# KiCad board backplane.kicad_pcb (continued)
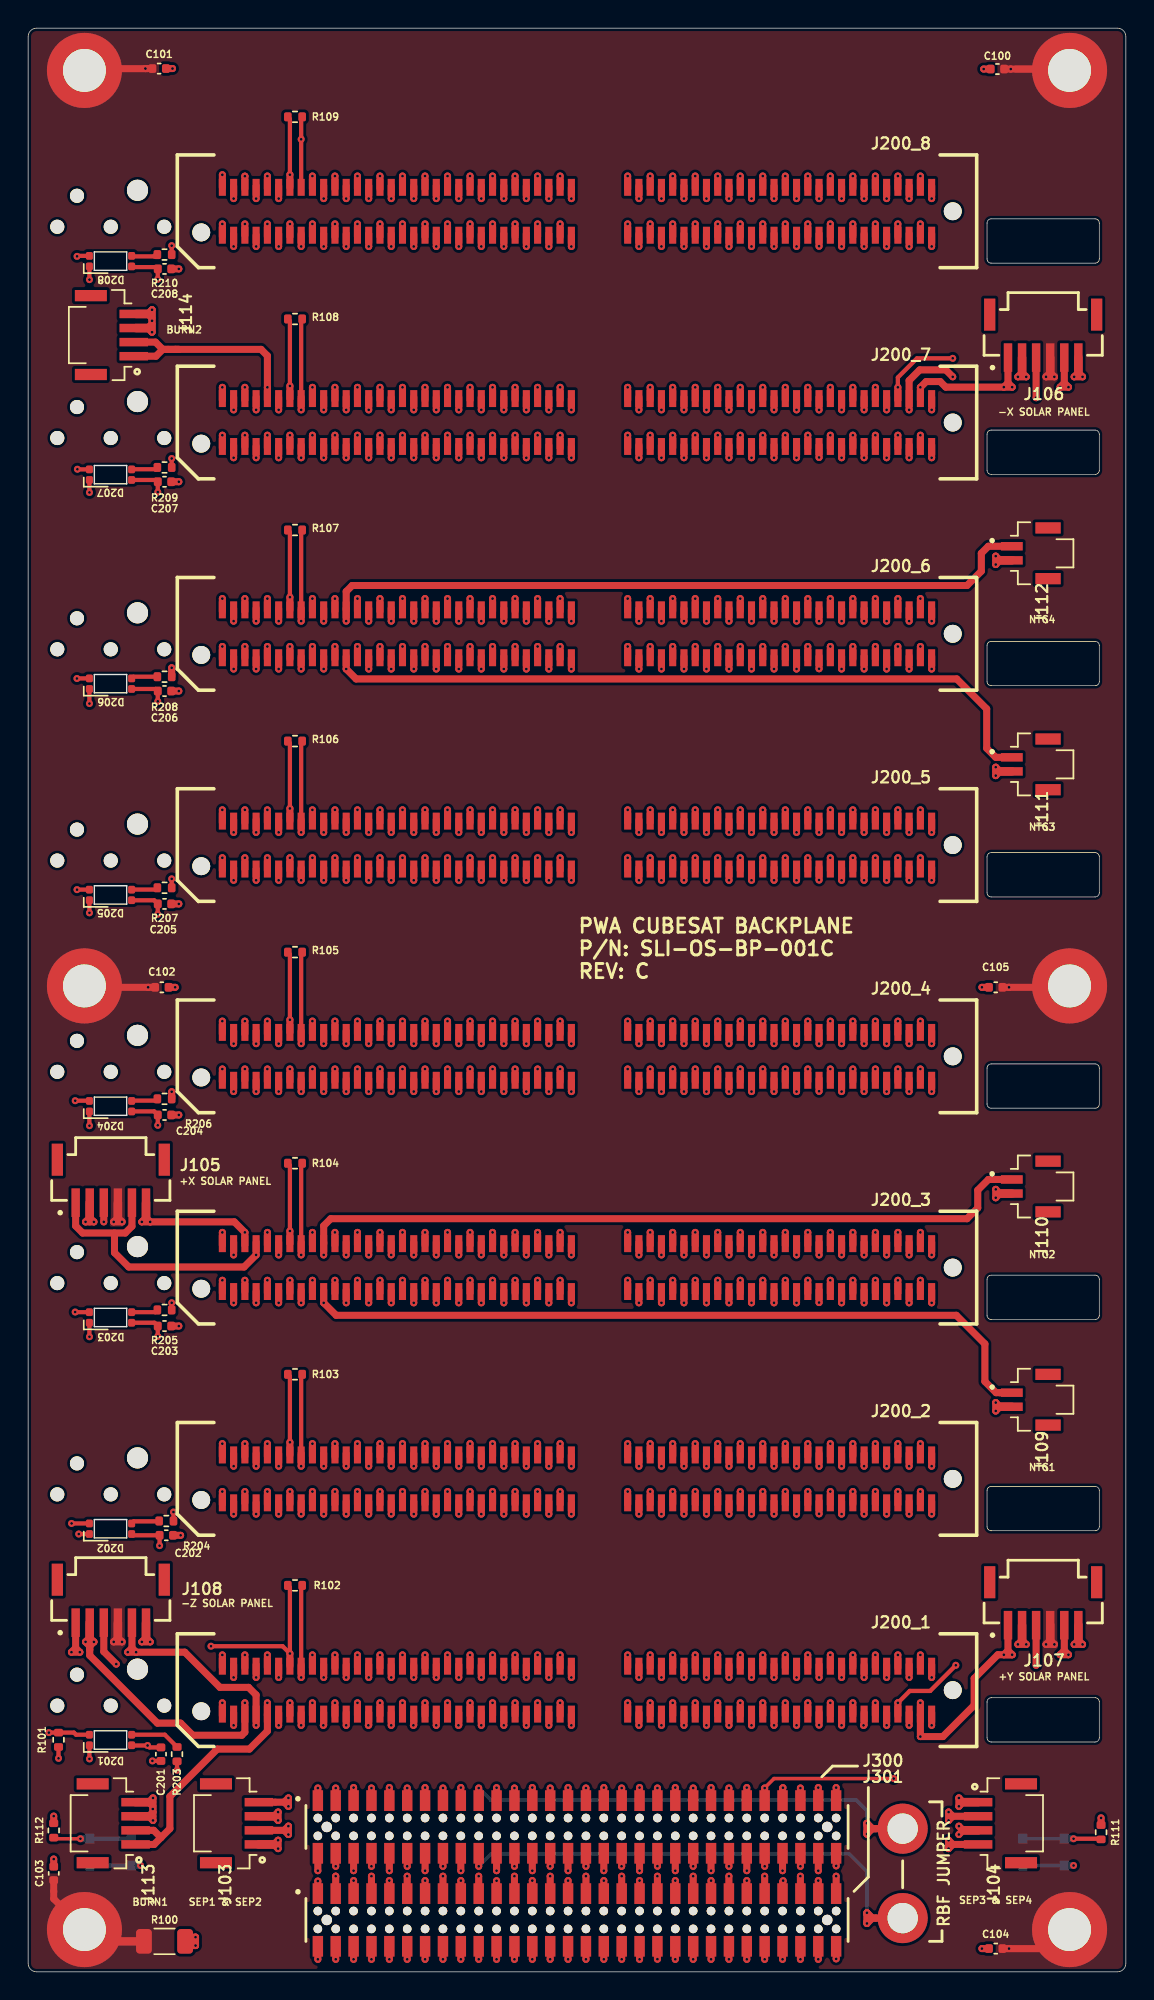
[diagram p0: board, top side]
## Routing (per net, layer and track width the routed paths; a pad name or vN(x,y) marks a point on that pad's centre or on a via; arc(x,y) is an arc through that point) (continued)
/H1-39: length 125.2
  Top w0.5: v1(50.6,19.1) 50.6,18.2 ; v1(50.6,49.1) 50.6,48.2 ; v1(50.6,64.1) 50.6,63.2 ; v1(50.6,34.1) 50.6,33.2 ; v1(50.6,124.1) 50.6,123.2 ; v1(50.6,79.1) 50.6,78.2 ; v1(50.6,109.1) 50.6,108.2 ; v1(50.6,94.1) 50.6,93.2 ; J300.43 v1(47.25,13.05)
  In1.Cu w0.25: v1(47.25,13.05) 50.6,16.39 v1(50.6,19.1)
  In1.Cu w0.5: 51.4,46.5 50.6,47.3 v1(50.6,49.1) 50.6,51.3 51.4,52.1 51.4,61.5 50.6,62.3 v1(50.6,64.1) 50.6,66.3 51.4,67.1 51.4,76.5 50.6,77.3 v1(50.6,79.1) 50.6,81.3 51.4,82.1 51.4,91.5 50.6,92.3 v1(50.6,94.1) 50.6,96.3 51.4,97.1 51.4,106.5 50.6,107.3 v1(50.6,109.1) 50.6,111.3 51.4,112.1 51.4,121.5 50.6,122.3 v1(50.6,124.1) ; v1(50.6,19.1) 50.6,21.3 51.4,22.1 51.4,31.5 50.6,32.3 v1(50.6,34.1) 50.6,36.3 51.4,37.1 51.4,46.5
/H1-40: length 135.1
  Top w0.5: v1(50.6,22.5) 50.6,21.6 ; J300.44 v1(47.25,7.49) ; v1(50.6,127.5) 50.6,126.6 ; v1(50.6,67.5) 50.6,66.6 ; v1(50.6,112.5) 50.6,111.6 ; v1(50.6,37.5) 50.6,36.6 ; v1(50.6,82.5) 50.6,81.6 ; v1(50.6,52.5) 50.6,51.6 ; v1(50.6,97.5) 50.6,96.6
  In3.Cu w0.25: v1(50.6,22.5) 50.6,19.95 51.18,19.38 51.18,18.66 50.82,18.3 50.82,17.47 46.62,13.27 46.62,8.13 v1(47.25,7.49)
  In3.Cu w0.5: v1(50.6,22.5) 50.6,32.87 51.4,33.67 51.4,34.65 50.6,35.5 v1(50.6,37.5) 50.6,47.87 51.4,48.67 51.4,49.65 50.6,50.5 v1(50.6,52.5) 50.6,62.87 51.4,63.67 51.4,64.65 50.6,65.5 v1(50.6,67.5) 50.6,77.87 51.4,78.67 51.4,79.65 50.6,80.5 v1(50.6,82.5) 50.6,92.87 51.4,93.67 51.4,94.65 50.6,95.5 v1(50.6,97.5) 50.6,107.87 51.4,108.67 51.4,109.65 50.6,110.5 v1(50.6,112.5) 50.6,122.87 51.4,123.67 51.4,124.65 50.6,125.5 v1(50.6,127.5)
/H1-41: length 125.3
  Top w0.5: v1(52.2,19.1) 52.2,18.2 ; v1(52.2,49.1) 52.2,48.2 ; J300.45 v1(48.53,13.08) ; v1(52.2,109.1) 52.2,108.2 ; v1(52.2,124.1) 52.2,123.2 ; v1(52.2,64.1) 52.2,63.2 ; v1(52.2,94.1) 52.2,93.2 ; v1(52.2,34.1) 52.2,33.2 ; v1(52.2,79.1) 52.2,78.2
  In1.Cu w0.25: v1(48.53,13.08) 52.2,16.76 v1(52.2,19.1)
  In1.Cu w0.5: 53,46.5 52.2,47.3 v1(52.2,49.1) 52.2,51.3 53,52.1 53,61.5 52.2,62.3 v1(52.2,64.1) 52.2,66.3 53,67.1 53,76.5 52.2,77.3 v1(52.2,79.1) 52.2,81.3 53,82.1 53,91.5 52.2,92.3 v1(52.2,94.1) 52.2,96.3 53,97.1 53,106.5 52.2,107.3 v1(52.2,109.1) 52.2,111.3 53,112.1 53,121.5 52.2,122.3 v1(52.2,124.1) ; 53,46.5 53,37.1 52.2,36.3 v1(52.2,34.1) 52.2,32.3 53,31.5 53,22.1 52.2,21.3 v1(52.2,19.1)
/H1-42: length 135.9
  Top w0.5: v1(52.2,22.5) 52.2,21.6 ; v1(52.2,52.5) 52.2,51.6 ; v1(52.2,127.5) 52.2,126.6 ; v1(52.2,67.5) 52.2,66.6 ; v1(52.2,82.5) 52.2,81.6 ; v1(52.2,112.5) 52.2,111.6 ; v1(52.2,37.5) 52.2,36.6 ; v1(52.2,97.5) 52.2,96.6 ; J300.46 v1(48.53,7.18)
  In3.Cu w0.25: v1(52.2,22.5) 52.2,19.95 52.78,19.38 52.78,18.61 52.42,18.25 52.42,17.67 51.68,16.92 51.51,16.92 47.89,13.3 47.89,7.81 v1(48.53,7.18)
  In3.Cu w0.5: v1(52.2,22.5) 52.2,32.87 53,33.67 53,34.65 52.2,35.5 v1(52.2,37.5) 52.2,47.87 53,48.67 53,49.65 52.2,50.5 v1(52.2,52.5) 52.2,62.87 53,63.67 53,64.65 52.2,65.5 v1(52.2,67.5) 52.2,77.87 53,78.67 53,79.65 52.2,80.5 v1(52.2,82.5) 52.2,92.87 53,93.67 53,94.65 52.2,95.5 v1(52.2,97.5) 52.2,107.87 53,108.67 53,109.65 52.2,110.5 v1(52.2,112.5) 52.2,122.87 53,123.67 53,124.65 52.2,125.5 v1(52.2,127.5)
/H1-43: length 125.4
  Top w0.5: v1(53.8,19.1) 53.8,18.2 ; v1(53.8,109.1) 53.8,108.2 ; J300.47 v1(49.8,13.05) ; v1(53.8,124.1) 53.8,123.2 ; v1(53.8,94.1) 53.8,93.2 ; v1(53.8,49.1) 53.8,48.2 ; v1(53.8,79.1) 53.8,78.2 ; v1(53.8,64.1) 53.8,63.2 ; v1(53.8,34.1) 53.8,33.2
  In1.Cu w0.25: v1(49.8,13.05) 53.8,17.05 v1(53.8,19.1)
  In1.Cu w0.5: 54.6,46.5 54.6,37.1 53.8,36.3 v1(53.8,34.1) 53.8,32.3 54.6,31.5 54.6,22.1 53.8,21.3 v1(53.8,19.1) ; v1(53.8,124.1) 53.8,122.3 54.6,121.5 54.6,112.1 53.8,111.3 v1(53.8,109.1) 53.8,107.3 54.6,106.5 54.6,97.1 53.8,96.3 v1(53.8,94.1) 53.8,92.3 54.6,91.5 54.6,82.1 53.8,81.3 v1(53.8,79.1) 53.8,77.3 54.6,76.5 54.6,67.1 53.8,66.3 v1(53.8,64.1) 53.8,62.3 54.6,61.5 54.6,52.1 53.8,51.3 v1(53.8,49.1) 53.8,47.3 54.6,46.5
/H1-44: length 135.6
  Top w0.5: v1(53.8,22.5) 53.8,21.6 ; J300.48 v1(49.8,7.49) ; v1(53.8,97.5) 53.8,96.6 ; v1(53.8,112.5) 53.8,111.6 ; v1(53.8,67.5) 53.8,66.6 ; v1(53.8,37.5) 53.8,36.6 ; v1(53.8,52.5) 53.8,51.6 ; v1(53.8,82.5) 53.8,81.6 ; v1(53.8,127.5) 53.8,126.6
  In3.Cu w0.25: v1(53.8,22.5) 53.8,19.95 54.38,19.38 54.38,18.72 53.58,17.92 53.58,17.22 53.28,16.92 52.81,16.92 49.16,13.27 49.16,8.13 v1(49.8,7.49)
  In3.Cu w0.5: v1(53.8,22.5) 53.8,32.87 54.6,33.67 54.6,34.65 53.8,35.5 v1(53.8,37.5) 53.8,47.87 54.6,48.67 54.6,49.65 53.8,50.5 v1(53.8,52.5) 53.8,62.87 54.6,63.67 54.6,64.65 53.8,65.5 v1(53.8,67.5) 53.8,77.87 54.6,78.67 54.6,79.65 53.8,80.5 v1(53.8,82.5) 53.8,92.87 54.6,93.67 54.6,94.65 53.8,95.5 v1(53.8,97.5) 53.8,107.87 54.6,108.67 54.6,109.65 53.8,110.5 v1(53.8,112.5) 53.8,122.87 54.6,123.67 54.6,124.65 53.8,125.5 v1(53.8,127.5)
/H1-45: length 125.6
  Top w0.5: v1(55.4,19.1) 55.4,18.2 ; v1(55.4,64.1) 55.4,63.2 ; v1(55.4,109.1) 55.4,108.2 ; v1(55.4,49.1) 55.4,48.2 ; v1(55.4,79.1) 55.4,78.2 ; v1(55.4,94.1) 55.4,93.2 ; v1(55.4,124.1) 55.4,123.2 ; J300.49 v1(51.06,13.08) ; v1(55.4,34.1) 55.4,33.2
  In1.Cu w0.25: v1(51.06,13.08) 51.06,13.11 55.4,17.45 v1(55.4,19.1)
  In1.Cu w0.5: v1(55.4,19.1) 55.4,21.3 56.2,22.1 56.2,31.5 55.4,32.3 v1(55.4,34.1) 55.4,36.3 56.2,37.1 56.2,46.5 ; v1(55.4,124.1) 55.4,122.3 56.2,121.5 56.2,112.1 55.4,111.3 v1(55.4,109.1) 55.4,107.3 56.2,106.5 56.2,97.1 55.4,96.3 v1(55.4,94.1) 55.4,92.3 56.2,91.5 56.2,82.1 55.4,81.3 v1(55.4,79.1) 55.4,77.3 56.2,76.5 56.2,67.1 55.4,66.3 v1(55.4,64.1) 55.4,62.3 56.2,61.5 56.2,52.1 55.4,51.3 v1(55.4,49.1) 55.4,47.3 56.2,46.5
/H1-46: length 136.6
  Top w0.5: v1(55.4,22.5) 55.4,21.6 ; v1(55.4,67.5) 55.4,66.6 ; v1(55.4,97.5) 55.4,96.6 ; v1(55.4,112.5) 55.4,111.6 ; v1(55.4,127.5) 55.4,126.6 ; J300.50 v1(51.06,7.18) ; v1(55.4,82.5) 55.4,81.6 ; v1(55.4,37.5) 55.4,36.6 ; v1(55.4,52.5) 55.4,51.6
  In3.Cu w0.25: v1(55.4,22.5) 55.4,19.95 55.98,19.38 55.98,18.71 55.62,18.35 55.62,17.67 54.88,16.92 54.05,16.92 50.43,13.3 50.43,7.81 v1(51.06,7.18)
  In3.Cu w0.5: v1(55.4,22.5) 55.4,32.87 56.2,33.67 56.2,34.65 55.4,35.5 v1(55.4,37.5) 55.4,47.87 56.2,48.67 56.2,49.65 55.4,50.5 v1(55.4,52.5) 55.4,62.87 56.2,63.67 56.2,64.65 55.4,65.5 v1(55.4,67.5) 55.4,77.87 56.2,78.67 56.2,79.65 55.4,80.5 v1(55.4,82.5) 55.4,92.87 56.2,93.67 56.2,94.65 55.4,95.5 v1(55.4,97.5) 55.4,107.87 56.2,108.67 56.2,109.65 55.4,110.5 v1(55.4,112.5) 55.4,122.87 56.2,123.67 56.2,124.65 55.4,125.5 v1(55.4,127.5)
/H1-48: length 136.2
  Top w0.5: v1(57,22.5) 57,21.6 ; J300.52 v1(52.33,7.49) ; v1(57,82.5) 57,81.6 ; v1(57,67.5) 57,66.6 ; v1(57,97.5) 57,96.6 ; v1(57,127.5) 57,126.6 ; v1(57,112.5) 57,111.6 ; v1(57,37.5) 57,36.6 ; v1(57,52.5) 57,51.6
  In3.Cu w0.25: v1(52.33,7.49) 51.7,8.13 51.7,13.31 53.51,15.12 53.95,15.12 55.77,16.94 56.44,16.94 57.32,17.82 57.32,18.6 57.58,18.86 57.58,20.19 57,20.77 v1(57,22.5)
  In3.Cu w0.5: v1(57,22.5) 57,32.87 57.8,33.67 57.8,34.65 57,35.5 v1(57,37.5) 57,47.87 57.8,48.67 57.8,49.65 57,50.5 v1(57,52.5) 57,62.87 57.8,63.67 57.8,64.65 57,65.5 v1(57,67.5) 57,77.87 57.8,78.67 57.8,79.65 57,80.5 v1(57,82.5) 57,92.87 57.8,93.67 57.8,94.65 57,95.5 v1(57,97.5) 57,107.87 57.8,108.67 57.8,109.65 57,110.5 v1(57,112.5) 57,122.87 57.8,123.67 57.8,124.65 57,125.5 v1(57,127.5)
/H1-49: length 126.2
  Top w0.5: v1(58.6,19.1) 58.6,18.2 ; v1(58.6,94.1) 58.6,93.2 ; v1(58.6,124.1) 58.6,123.2 ; v1(58.6,64.1) 58.6,63.2 ; v1(58.6,109.1) 58.6,108.2 ; v1(58.6,79.1) 58.6,78.2 ; J300.53 53.61,13.04 v1(53.63,13.07) ; v1(58.6,34.1) 58.6,33.2 ; v1(58.6,49.1) 58.6,48.2
  In1.Cu w0.25: v1(53.63,13.07) 57.14,16.58 57.73,16.58 58.6,17.45 v1(58.6,19.1)
  In1.Cu w0.5: 59.4,46.5 59.4,37.1 58.6,36.3 v1(58.6,34.1) 58.6,32.3 59.4,31.5 59.4,22.1 58.6,21.3 v1(58.6,19.1) ; 59.4,46.5 58.6,47.3 v1(58.6,49.1) 58.6,51.3 59.4,52.1 59.4,61.5 58.6,62.3 v1(58.6,64.1) 58.6,66.3 59.4,67.1 59.4,76.5 58.6,77.3 v1(58.6,79.1) 58.6,81.3 59.4,82.1 59.4,91.5 58.6,92.3 v1(58.6,94.1) 58.6,96.3 59.4,97.1 59.4,106.5 58.6,107.3 v1(58.6,109.1) 58.6,111.3 59.4,112.1 59.4,121.5 58.6,122.3 v1(58.6,124.1)
/H1-50: length 137.4
  Top w0.5: v1(58.6,22.5) 58.6,21.6 ; v1(58.6,67.5) 58.6,66.6 ; v1(58.6,82.5) 58.6,81.6 ; v1(58.6,37.5) 58.6,36.6 ; v1(58.6,127.5) 58.6,126.6 ; v1(58.6,112.5) 58.6,111.6 ; J300.54 v1(53.61,7.18) ; v1(58.6,52.5) 58.6,51.6 ; v1(58.6,97.5) 58.6,96.6
  In3.Cu w0.25: v1(53.61,7.18) 52.97,7.81 52.97,13.23 55.88,16.13 57.57,16.13 58.78,17.35 58.78,18.36 59.18,18.76 59.18,20.11 58.6,20.69 v1(58.6,22.5)
  In3.Cu w0.5: v1(58.6,22.5) 58.6,32.87 59.4,33.67 59.4,34.65 58.6,35.5 v1(58.6,37.5) 58.6,47.87 59.4,48.67 59.4,49.65 58.6,50.5 v1(58.6,52.5) 58.6,62.87 59.4,63.67 59.4,64.65 58.6,65.5 v1(58.6,67.5) 58.6,77.87 59.4,78.67 59.4,79.65 58.6,80.5 v1(58.6,82.5) 58.6,92.87 59.4,93.67 59.4,94.65 58.6,95.5 v1(58.6,97.5) 58.6,107.87 59.4,108.67 59.4,109.65 58.6,110.5 v1(58.6,112.5) 58.6,122.87 59.4,123.67 59.4,124.65 58.6,125.5 v1(58.6,127.5)
/H1-51: length 126.5
  Top w0.5: v1(60.2,19.1) 60.2,18.2 ; v1(60.2,49.1) 60.2,48.2 ; v1(60.2,34.1) 60.2,33.2 ; v1(60.2,79.1) 60.2,78.2 ; v1(60.2,124.1) 60.2,123.2 ; J300.55 v1(54.88,13.05) ; v1(60.2,109.1) 60.2,108.2 ; v1(60.2,64.1) 60.2,63.2 ; v1(60.2,94.1) 60.2,93.2
  In1.Cu w0.25: v1(60.2,19.1) 60.2,17.48 58.51,15.79 57.62,15.79 v1(54.88,13.05)
  In1.Cu w0.5: v1(60.2,19.1) 60.2,21.3 61,22.1 61,31.5 60.2,32.3 v1(60.2,34.1) 60.2,36.3 61,37.1 61,46.5 ; v1(60.2,124.1) 60.2,122.3 61,121.5 61,112.1 60.2,111.3 v1(60.2,109.1) 60.2,107.3 61,106.5 61,97.1 60.2,96.3 v1(60.2,94.1) 60.2,92.3 61,91.5 61,82.1 60.2,81.3 v1(60.2,79.1) 60.2,77.3 61,76.5 61,67.1 60.2,66.3 v1(60.2,64.1) 60.2,62.3 61,61.5 61,52.1 60.2,51.3 v1(60.2,49.1) 60.2,47.3 61,46.5
/H1-52: length 137.3
  Top w0.5: v1(60.2,22.5) 60.2,21.6 ; J300.56 v1(54.88,7.49) ; v1(60.2,82.5) 60.2,81.6 ; v1(60.2,112.5) 60.2,111.6 ; v1(60.2,37.5) 60.2,36.6 ; v1(60.2,67.5) 60.2,66.6 ; v1(60.2,127.5) 60.2,126.6 ; v1(60.2,97.5) 60.2,96.6 ; v1(60.2,52.5) 60.2,51.6
  In3.Cu w0.25: v1(60.2,22.5) 60.2,19.95 60.78,19.38 60.78,18.6 60.42,18.25 60.42,17.11 58.88,15.56 56.53,15.56 54.24,13.27 54.24,8.13 v1(54.88,7.49)
  In3.Cu w0.5: v1(60.2,22.5) 60.2,32.87 61,33.67 61,34.65 60.2,35.5 v1(60.2,37.5) 60.2,47.87 61,48.67 61,49.65 60.2,50.5 v1(60.2,52.5) 60.2,62.87 61,63.67 61,64.65 60.2,65.5 v1(60.2,67.5) 60.2,77.87 61,78.67 61,79.65 60.2,80.5 v1(60.2,82.5) 60.2,92.87 61,93.67 61,94.65 60.2,95.5 v1(60.2,97.5) 60.2,107.87 61,108.67 61,109.65 60.2,110.5 v1(60.2,112.5) 60.2,122.87 61,123.67 61,124.65 60.2,125.5 v1(60.2,127.5)
/H2-1: length 131.4
  Top w0.5: v1(17.8,122.5) 17.8,123.4 ; v1(17.8,17.5) 17.8,18.4 ; J301.5 v1(23.12,6.48) ; v1(17.8,32.5) 17.8,33.4 ; v1(17.8,107.5) 17.8,108.4 ; v1(17.8,62.5) 17.8,63.4 ; v1(17.8,47.5) 17.8,48.4 ; v1(17.8,77.5) 17.8,78.4 ; v1(17.8,92.5) 17.8,93.4
  In4.Cu w0.25: v1(17.8,17.5) 18.26,17.5 22.49,13.27 22.49,6.76 22.77,6.48 v1(23.12,6.48)
  In4.Cu w0.5: v1(17.8,17.5) 17.8,19.47 17,20.28 17,21.3 17.8,22.1 v1(17.8,32.5) 17.8,34.47 17,35.28 17,36.3 17.8,37.1 17.8,47.5 ; v1(17.8,47.5) 17.8,49.48 17,50.28 17,51.3 17.8,52.1 v1(17.8,62.5) 17.8,64.48 17,65.28 17,66.3 17.8,67.1 v1(17.8,77.5) 17.8,79.48 17,80.28 17,81.3 17.8,82.1 v1(17.8,92.5) 17.8,94.48 17,95.28 17,96.3 17.8,97.1 v1(17.8,107.5) 17.8,109.48 17,110.28 17,111.3 17.8,112.1 v1(17.8,122.5)
/H2-9: length 130.6
  Top w0.5: v1(24.2,122.5) 24.2,123.4 ; v1(24.2,32.5) 24.2,33.4 ; J301.13 v1(28.2,6.48) ; v1(24.17,17.5) 24.2,17.53 24.2,18.4 ; v1(24.2,77.5) 24.2,78.4 ; v1(24.2,62.5) 24.2,63.4 ; v1(24.2,92.5) 24.2,93.4 ; v1(24.2,107.5) 24.2,108.4 ; v1(24.2,47.5) 24.2,48.4
  In4.Cu w0.25: v1(28.2,6.48) 27.85,6.48 27.57,6.76 27.57,13.59 24.17,16.98 v1(24.17,17.5)
  In4.Cu w0.5: 24.2,47.5 24.2,37.1 23.4,36.3 23.4,35.28 24.2,34.47 v1(24.2,32.5) 24.2,22.1 23.4,21.3 23.4,20.28 24.17,19.5 v1(24.17,17.5) ; v1(24.2,122.5) 24.2,112.1 23.4,111.3 23.4,110.28 24.2,109.48 v1(24.2,107.5) 24.2,97.1 23.4,96.3 23.4,95.28 24.2,94.48 v1(24.2,92.5) 24.2,82.1 23.4,81.3 23.4,80.28 24.2,79.48 v1(24.2,77.5) 24.2,67.1 23.4,66.3 23.4,65.28 24.2,64.48 v1(24.2,62.5) 24.2,52.1 23.4,51.3 23.4,50.28 24.2,49.48 v1(24.2,47.5)
/H2-10: length 139.4
  Top w0.5: v1(24.2,125.9) 24.2,126.8 ; v1(24.2,20.9) 24.2,21.8 ; v1(24.2,65.9) 24.2,66.8 ; J301.14 v1(28.2,0.89) ; v1(24.2,95.9) 24.2,96.8 ; v1(24.2,110.9) 24.2,111.8 ; v1(24.2,50.9) 24.2,51.8 ; v1(24.2,35.9) 24.2,36.8 ; v1(24.2,80.9) 24.2,81.8
  In2.Cu w0.25: v1(28.2,0.89) 27.57,1.52 27.57,13.27 24.75,16.09 24.75,18.39 24.2,18.94 v1(24.2,20.9)
  In2.Cu w0.5: 24.2,110.9 24.2,108.68 23.4,107.87 23.4,107.3 24.2,106.5 v1(24.2,95.9) 24.2,93.68 23.4,92.87 23.4,92.3 24.2,91.5 v1(24.2,80.9) 24.2,78.68 23.4,77.87 23.4,77.3 24.2,76.5 v1(24.2,65.9) 24.2,63.68 23.4,62.87 23.4,62.3 24.2,61.5 v1(24.2,50.9) 24.2,48.68 23.4,47.87 23.4,47.3 24.2,46.5 v1(24.2,35.9) 24.2,33.68 23.4,32.87 23.4,32.3 24.2,31.5 v1(24.2,20.9) ; v1(24.2,110.9) 24.2,121.5 23.4,122.3 23.4,122.87 24.2,123.68 v1(24.2,125.9)
/H2-11: length 130.5
  Top w0.5: v1(25.8,122.5) 25.8,123.4 ; v1(25.8,17.5) 25.8,18.4 ; v1(25.8,47.5) 25.8,48.4 ; v1(25.8,77.5) 25.8,78.4 ; v1(25.8,92.5) 25.8,93.4 ; v1(25.8,107.5) 25.8,108.4 ; J301.15 29.47,6.79 ; v1(25.8,62.5) 25.8,63.4 ; v1(25.8,32.5) 25.8,33.4
  In4.Cu w0.25: v1(25.8,17.5) 25.8,16.34 28.84,13.3 28.84,7.07 29.12,6.79 v1(29.47,6.79)
  In4.Cu w0.5: v1(25.8,17.5) 25.8,19.47 25,20.28 25,21.3 25.8,22.1 v1(25.8,32.5) 25.8,34.47 25,35.28 25,36.3 25.8,37.1 25.8,47.5 ; v1(25.8,47.5) 25.8,49.48 25,50.28 25,51.3 25.8,52.1 v1(25.8,62.5) 25.8,64.48 25,65.28 25,66.3 25.8,67.1 v1(25.8,77.5) 25.8,79.48 25,80.28 25,81.3 25.8,82.1 v1(25.8,92.5) 25.8,94.48 25,95.28 25,96.3 25.8,97.1 v1(25.8,107.5) 25.8,109.48 25,110.28 25,111.3 25.8,112.1 v1(25.8,122.5)
/H2-12: length 139.3
  Top w0.5: v1(25.8,20.9) 25.8,21.8 ; v1(25.8,125.9) 25.8,126.8 ; J301.16 v1(29.47,0.89) ; v1(25.8,35.9) 25.8,36.8 ; v1(25.8,95.9) 25.8,96.8 ; v1(25.8,80.9) 25.8,81.8 ; v1(25.8,50.9) 25.8,51.8 ; v1(25.8,65.9) 25.8,66.8 ; v1(25.8,110.9) 25.8,111.8
  In2.Cu w0.25: v1(25.8,20.9) 25.8,18.94 26.38,18.36 26.38,15.76 28.84,13.3 28.84,1.52 v1(29.47,0.89)
  In2.Cu w0.5: v1(25.8,125.9) 25.8,123.68 25,122.87 25,122.3 25.8,121.5 v1(25.8,110.9) ; 25.8,110.9 25.8,108.68 25,107.87 25,107.3 25.8,106.5 v1(25.8,95.9) 25.8,93.68 25,92.87 25,92.3 25.8,91.5 v1(25.8,80.9) 25.8,78.68 25,77.87 25,77.3 25.8,76.5 v1(25.8,65.9) 25.8,63.68 25,62.87 25,62.3 25.8,61.5 v1(25.8,50.9) 25.8,48.68 25,47.87 25,47.3 25.8,46.5 v1(25.8,35.9) 25.8,33.68 25,32.87 25,32.3 25.8,31.5 v1(25.8,20.9)
/H2-15: length 130.2
  Top w0.5: v1(29,122.5) 29,123.4 ; v1(29,17.5) 29,18.4 ; J301.19 32.02,6.79 ; v1(29,107.5) 29,108.4 ; v1(29,32.5) 29,33.4 ; v1(29,62.5) 29,63.4 ; v1(29,47.5) 29,48.4 ; v1(29,77.5) 29,78.4 ; v1(29,92.5) 29,93.4
  In4.Cu w0.25: v1(32.01,6.79) 31.66,6.79 31.38,7.07 31.38,13.3 29,15.68 v1(29,17.5)
  In4.Cu w0.5: v1(29,17.5) 29,19.47 28.2,20.28 28.2,21.3 29,22.1 v1(29,32.5) 29,34.47 28.2,35.28 28.2,36.3 29,37.1 29,47.5 ; v1(29,47.5) 29,49.48 28.2,50.28 28.2,51.3 29,52.1 v1(29,62.5) 29,64.48 28.2,65.28 28.2,66.3 29,67.1 v1(29,77.5) 29,79.48 28.2,80.28 28.2,81.3 29,82.1 v1(29,92.5) 29,94.48 28.2,95.28 28.2,96.3 29,97.1 v1(29,107.5) 29,109.48 28.2,110.28 28.2,111.3 29,112.1 v1(29,122.5)
/H2-16: length 139
  Top w0.5: v1(29,125.9) 29,126.8 ; v1(29,20.9) 29,21.8 ; J301.20 v1(32.02,0.89) ; v1(29,80.9) 29,81.8 ; v1(29,50.9) 29,51.8 ; v1(29,35.9) 29,36.8 ; v1(29,110.9) 29,111.8 ; v1(29,95.9) 29,96.8 ; v1(29,65.9) 29,66.8
  In2.Cu w0.25: v1(32.02,0.89) 31.38,1.52 31.38,15.84 29.58,17.64 29.58,18.36 29,18.94 v1(29,20.9)
  In2.Cu w0.5: 29,110.9 29,108.68 28.2,107.87 28.2,107.3 29,106.5 v1(29,95.9) 29,93.68 28.2,92.87 28.2,92.3 29,91.5 v1(29,80.9) 29,78.68 28.2,77.87 28.2,77.3 29,76.5 v1(29,65.9) 29,63.68 28.2,62.87 28.2,62.3 29,61.5 v1(29,50.9) 29,48.68 28.2,47.87 28.2,47.3 29,46.5 v1(29,35.9) 29,33.68 28.2,32.87 28.2,32.3 29,31.5 v1(29,20.9) ; v1(29,125.9) 29,123.68 28.2,122.87 28.2,122.3 29,121.5 v1(29,110.9)
/H2-17: length 130.1
  Top w0.5: v1(30.6,122.5) 30.6,123.4 ; v1(30.6,32.5) 30.6,33.4 ; J301.21 v1(33.28,6.47) ; 30.6,18.4 30.6,17.53 v1(30.57,17.5) ; v1(30.6,77.5) 30.6,78.4 ; v1(30.6,107.5) 30.6,108.4 ; v1(30.6,92.5) 30.6,93.4 ; v1(30.6,47.5) 30.6,48.4 ; v1(30.6,62.5) 30.6,63.4
  In4.Cu w0.25: v1(30.57,17.5) 30.57,15.66 32.65,13.59 32.65,6.76 32.93,6.48 33.28,6.48
  In4.Cu w0.5: 30.6,47.5 30.6,37.1 29.8,36.3 29.8,35.28 30.6,34.47 v1(30.6,32.5) 30.6,22.1 29.8,21.3 29.8,20.28 30.57,19.5 v1(30.57,17.5) ; v1(30.6,47.5) 30.6,49.48 29.8,50.28 29.8,51.3 30.6,52.1 v1(30.6,62.5) 30.6,64.48 29.8,65.28 29.8,66.3 30.6,67.1 v1(30.6,77.5) 30.6,79.48 29.8,80.28 29.8,81.3 30.6,82.1 v1(30.6,92.5) 30.6,94.48 29.8,95.28 29.8,96.3 30.6,97.1 v1(30.6,107.5) 30.6,109.48 29.8,110.28 29.8,111.3 30.6,112.1 v1(30.6,122.5)
/H2-18: length 138.9
  Top w0.5: v1(30.6,125.9) 30.6,126.8 ; v1(30.6,20.9) 30.6,21.8 ; J301.22 v1(33.28,0.89) ; v1(30.6,50.9) 30.6,51.8 ; v1(30.6,95.9) 30.6,96.8 ; v1(30.6,35.9) 30.6,36.8 ; v1(30.6,80.9) 30.6,81.8 ; v1(30.6,65.9) 30.6,66.8 ; v1(30.6,110.9) 30.6,111.8
  In2.Cu w0.25: v1(33.28,0.89) 32.65,1.52 32.65,15.21 31.15,16.71 31.15,18.39 30.6,18.94 v1(30.6,20.9)
  In2.Cu w0.5: 30.6,110.9 30.6,108.68 29.8,107.87 29.8,107.3 30.6,106.5 v1(30.6,95.9) 30.6,93.68 29.8,92.87 29.8,92.3 30.6,91.5 v1(30.6,80.9) 30.6,78.68 29.8,77.87 29.8,77.3 30.6,76.5 v1(30.6,65.9) 30.6,63.68 29.8,62.87 29.8,62.3 30.6,61.5 v1(30.6,50.9) 30.6,48.68 29.8,47.87 29.8,47.3 30.6,46.5 v1(30.6,35.9) 30.6,33.68 29.8,32.87 29.8,32.3 30.6,31.5 v1(30.6,20.9) ; v1(30.6,125.9) 30.6,123.68 29.8,122.87 29.8,122.3 30.6,121.5 v1(30.6,110.9)
/H2-19: length 129.9
  Top w0.5: v1(32.2,122.5) 32.2,123.4 ; v1(32.2,17.5) 32.2,18.4 ; v1(32.2,92.5) 32.2,93.4 ; J301.23 34.56,6.79 ; v1(32.2,107.5) 32.2,108.4 ; v1(32.2,47.5) 32.2,48.4 ; v1(32.2,62.5) 32.2,63.4 ; v1(32.2,77.5) 32.2,78.4 ; v1(32.2,32.5) 32.2,33.4
  In4.Cu w0.25: v1(34.55,6.79) 34.2,6.79 33.92,7.07 33.92,13.29 32.2,15.01 v1(32.2,17.5)
  In4.Cu w0.5: v1(32.2,17.5) 32.2,19.47 31.4,20.28 31.4,21.3 32.2,22.1 v1(32.2,32.5) 32.2,34.47 31.4,35.28 31.4,36.3 32.2,37.1 32.2,47.5 ; v1(32.2,122.5) 32.2,112.1 31.4,111.3 31.4,110.28 32.2,109.48 v1(32.2,107.5) 32.2,97.1 31.4,96.3 31.4,95.28 32.2,94.48 v1(32.2,92.5) 32.2,82.1 31.4,81.3 31.4,80.28 32.2,79.48 v1(32.2,77.5) 32.2,67.1 31.4,66.3 31.4,65.28 32.2,64.48 v1(32.2,62.5) 32.2,52.1 31.4,51.3 31.4,50.28 32.2,49.48 v1(32.2,47.5)
/H2-20: length 138.7
  Top w0.5: v1(32.2,125.9) 32.2,126.8 ; v1(32.2,20.9) 32.2,21.8 ; J301.24 v1(34.56,0.89) ; v1(32.2,95.9) 32.2,96.8 ; v1(32.2,50.9) 32.2,51.8 ; v1(32.2,65.9) 32.2,66.8 ; v1(32.2,35.9) 32.2,36.8 ; v1(32.2,80.9) 32.2,81.8 ; v1(32.2,110.9) 32.2,111.8
  In2.Cu w0.25: v1(32.2,20.9) 32.2,18.94 32.78,18.36 32.78,17.22 33.92,16.08 33.92,1.52 v1(34.56,0.89)
  In2.Cu w0.5: 32.2,110.9 32.2,108.68 31.4,107.87 31.4,107.3 32.2,106.5 v1(32.2,95.9) 32.2,93.68 31.4,92.87 31.4,92.3 32.2,91.5 v1(32.2,80.9) 32.2,78.68 31.4,77.87 31.4,77.3 32.2,76.5 v1(32.2,65.9) 32.2,63.68 31.4,62.87 31.4,62.3 32.2,61.5 v1(32.2,50.9) 32.2,48.68 31.4,47.87 31.4,47.3 32.2,46.5 v1(32.2,35.9) 32.2,33.68 31.4,32.87 31.4,32.3 32.2,31.5 v1(32.2,20.9) ; v1(32.2,110.9) 32.2,121.5 31.4,122.3 31.4,122.87 32.2,123.68 v1(32.2,125.9)
/H2-21: length 129.8
  Top w0.5: v1(33.8,17.5) 33.8,18.4 ; J301.25 v1(35.83,6.48) ; v1(33.8,107.5) 33.8,108.4 ; v1(33.8,77.5) 33.8,78.4 ; v1(33.8,32.5) 33.8,33.4 ; v1(33.8,122.5) 33.8,123.4 ; v1(33.8,92.5) 33.8,93.4 ; v1(33.8,62.5) 33.8,63.4 ; v1(33.8,47.5) 33.8,48.4
  In4.Cu w0.25: v1(33.8,17.5) 33.8,14.98 35.19,13.59 35.19,6.76 35.47,6.48 v1(35.83,6.48)
  In4.Cu w0.5: v1(33.8,17.5) 33.8,19.47 33,20.28 33,21.3 33.8,22.1 v1(33.8,32.5) 33.8,34.47 33,35.28 33,36.3 33.8,37.1 33.8,47.5 ; v1(33.8,122.5) 33.8,112.1 33,111.3 33,110.28 33.8,109.48 v1(33.8,107.5) 33.8,97.1 33,96.3 33,95.28 33.8,94.48 v1(33.8,92.5) 33.8,82.1 33,81.3 33,80.28 33.8,79.48 v1(33.8,77.5) 33.8,67.1 33,66.3 33,65.28 33.8,64.48 v1(33.8,62.5) 33.8,52.1 33,51.3 33,50.28 33.8,49.48 v1(33.8,47.5)
/H2-22: length 138.6
  Top w0.5: v1(33.8,125.9) 33.8,126.8 ; v1(33.8,20.9) 33.8,21.8 ; v1(33.8,50.9) 33.8,51.8 ; J301.26 v1(35.83,0.89) ; v1(33.8,95.9) 33.8,96.8 ; v1(33.8,80.9) 33.8,81.8 ; v1(33.8,35.9) 33.8,36.8 ; v1(33.8,65.9) 33.8,66.8 ; v1(33.8,110.9) 33.8,111.8
  In2.Cu w0.25: v1(33.8,20.9) 33.8,18.94 34.38,18.36 34.38,17.58 35.19,16.76 35.19,1.52 v1(35.83,0.89)
  In2.Cu w0.5: 33.8,110.9 33.8,108.68 33,107.87 33,107.3 33.8,106.5 v1(33.8,95.9) 33.8,93.68 33,92.87 33,92.3 33.8,91.5 v1(33.8,80.9) 33.8,78.68 33,77.87 33,77.3 33.8,76.5 v1(33.8,65.9) 33.8,63.68 33,62.87 33,62.3 33.8,61.5 v1(33.8,50.9) 33.8,48.68 33,47.87 33,47.3 33.8,46.5 v1(33.8,35.9) 33.8,33.68 33,32.87 33,32.3 33.8,31.5 v1(33.8,20.9) ; v1(33.8,125.9) 33.8,123.68 33,122.87 33,122.3 33.8,121.5 v1(33.8,110.9)
/H2-23: length 129.7
  Top w0.5: v1(35.4,17.5) 35.4,18.4 ; v1(35.4,77.5) 35.4,78.4 ; v1(35.4,92.5) 35.4,93.4 ; 35.4,47.5 35.4,48.4 ; v1(35.4,122.5) 35.4,123.4 ; v1(35.4,107.5) 35.4,108.4 ; v1(35.4,62.5) 35.4,63.4 ; v1(35.4,32.5) 35.4,33.4 ; J301.27 37.09,6.79
  In4.Cu w0.25: v1(35.4,17.5) 35.4,14.36 36.46,13.3 36.46,7.07 36.74,6.79 v1(37.09,6.79)
  In4.Cu w0.5: v1(35.4,17.5) 35.4,19.47 34.6,20.28 34.6,21.3 35.4,22.1 v1(35.4,32.5) 35.4,34.47 34.6,35.28 34.6,36.3 35.4,37.1 v1(35.4,47.5) ; v1(35.4,122.5) 35.4,112.1 34.6,111.3 34.6,110.28 35.4,109.48 v1(35.4,107.5) 35.4,97.1 34.6,96.3 34.6,95.28 35.4,94.48 v1(35.4,92.5) 35.4,82.1 34.6,81.3 34.6,80.28 35.4,79.48 v1(35.4,77.5) 35.4,67.1 34.6,66.3 34.6,65.28 35.4,64.48 v1(35.4,62.5) 35.4,52.1 34.6,51.3 34.6,50.28 35.4,49.48 35.4,47.5
/H2-24: length 138.5
  Top w0.5: v1(35.4,125.9) 35.4,126.8 ; v1(35.4,20.9) 35.4,21.8 ; J301.28 v1(37.09,0.89) ; v1(35.4,110.9) 35.4,111.8 ; v1(35.4,50.9) 35.4,51.8 ; v1(35.4,80.9) 35.4,81.8 ; v1(35.4,65.9) 35.4,66.8 ; v1(35.4,95.9) 35.4,96.8 ; v1(35.4,35.9) 35.4,36.8
  In2.Cu w0.25: v1(35.4,20.9) 35.4,18.94 35.98,18.36 35.98,16.23 36.46,15.75 36.46,1.52 v1(37.09,0.89)
  In2.Cu w0.5: 35.4,110.9 35.4,108.68 34.6,107.87 34.6,107.3 35.4,106.5 v1(35.4,95.9) 35.4,93.68 34.6,92.87 34.6,92.3 35.4,91.5 v1(35.4,80.9) 35.4,78.68 34.6,77.87 34.6,77.3 35.4,76.5 v1(35.4,65.9) 35.4,63.68 34.6,62.87 34.6,62.3 35.4,61.5 v1(35.4,50.9) 35.4,48.68 34.6,47.87 34.6,47.3 35.4,46.5 v1(35.4,35.9) 35.4,33.68 34.6,32.87 34.6,32.3 35.4,31.5 v1(35.4,20.9) ; v1(35.4,110.9) 35.4,121.5 34.6,122.3 34.6,122.87 35.4,123.68 v1(35.4,125.9)
/H2-25: length 129.5
  Top w0.5: v1(37,122.5) 37,123.4 ; v1(37,17.5) 37,18.4 ; J301.29 v1(38.36,6.48) ; v1(37,107.5) 37,108.4 ; v1(37,77.5) 37,78.4 ; 37,47.5 37,48.4 ; v1(37,92.5) 37,93.4 ; v1(37,62.5) 37,63.4 ; v1(37,32.5) 37,33.4
  In4.Cu w0.25: v1(38.36,6.48) 38.01,6.48 37.73,6.76 37.73,13.59 37,14.32 v1(37,17.5)
  In4.Cu w0.5: v1(37,17.5) 37,19.47 36.2,20.28 36.2,21.3 37,22.1 v1(37,32.5) 37,34.47 36.2,35.28 36.2,36.3 37,37.1 v1(37,47.5) ; v1(37,122.5) 37,112.1 36.2,111.3 36.2,110.28 37,109.48 v1(37,107.5) 37,97.1 36.2,96.3 36.2,95.28 37,94.48 v1(37,92.5) 37,82.1 36.2,81.3 36.2,80.28 37,79.48 v1(37,77.5) 37,67.1 36.2,66.3 36.2,65.28 37,64.48 v1(37,62.5) 37,52.1 36.2,51.3 36.2,50.28 37,49.48 37,47.5
/H2-26: length 138.3
  Top w0.5: v1(37,125.9) 37,126.8 ; v1(37,20.9) 37,21.8 ; v1(37,65.9) 37,66.8 ; v1(37,50.9) 37,51.8 ; J301.30 v1(38.36,0.89) ; v1(37,95.9) 37,96.8 ; 37,110.9 37,111.8 ; v1(37,35.9) 37,36.8 ; v1(37,80.9) 37,81.8
  In2.Cu w0.25: v1(37,20.9) 37,18.94 37.73,18.21 37.73,1.52 v1(38.36,0.89)
  In2.Cu w0.5: 37,110.9 37,121.5 36.2,122.3 36.2,122.87 37,123.68 v1(37,125.9) ; v1(37,110.9) 37,108.68 36.2,107.87 36.2,107.3 37,106.5 v1(37,95.9) 37,93.68 36.2,92.87 36.2,92.3 37,91.5 v1(37,80.9) 37,78.68 36.2,77.87 36.2,77.3 37,76.5 v1(37,65.9) 37,63.68 36.2,62.87 36.2,62.3 37,61.5 v1(37,50.9) 37,48.68 36.2,47.87 36.2,47.3 37,46.5 v1(37,35.9) 37,33.68 36.2,32.87 36.2,32.3 37,31.5 v1(37,20.9)
/H2-27: length 128.6
  Top w0.5: J200_1.63 v1(38.6,17.5) ; J200_8.63 v1(38.6,122.5) ; J200_2.63 v1(38.6,32.5) ; J301.31 39.64,6.79 ; J200_3.63 v1(38.6,47.5) ; J200_7.63 v1(38.6,107.5) ; J200_5.63 v1(38.6,77.5) ; J200_6.63 v1(38.6,92.5) ; J200_4.63 v1(38.6,62.5)
  In4.Cu w0.25: v1(38.6,17.5) 38.6,13.7 39,13.3 39,7.07 39.28,6.79 v1(39.63,6.79)
  In4.Cu w0.5: v1(38.6,17.5) 38.6,19.47 37.8,20.28 37.8,21.3 38.6,22.1 v1(38.6,32.5) 38.6,34.47 37.8,35.28 37.8,36.3 38.6,37.1 v1(38.6,47.5) ; v1(38.6,122.5) 38.6,112.1 37.8,111.3 37.8,110.28 38.6,109.48 v1(38.6,107.5) 38.6,97.1 37.8,96.3 37.8,95.28 38.6,94.48 v1(38.6,92.5) 38.6,82.1 37.8,81.3 37.8,80.28 38.6,79.48 v1(38.6,77.5) 38.6,67.1 37.8,66.3 37.8,65.28 38.6,64.48 v1(38.6,62.5) 38.6,52.1 37.8,51.3 37.8,50.28 38.6,49.48 38.6,47.5
/H2-28: length 137.5
  Top w0.5: J200_1.64 v1(38.6,20.9) ; J301.32 v1(39.64,0.89) ; J200_8.64 v1(38.6,125.9) ; J200_6.64 v1(38.6,95.9) ; J200_4.64 v1(38.6,65.9) ; J200_2.64 v1(38.6,35.9) ; J200_7.64 v1(38.6,110.9) ; J200_3.64 v1(38.6,50.9) ; J200_5.64 v1(38.6,80.9)
  In2.Cu w0.25: v1(39.64,0.89) 39,1.52 39,17.05 39.18,17.22 39.18,18.36 38.6,18.94 v1(38.6,20.9)
  In2.Cu w0.5: v1(38.6,110.9) 38.6,108.68 37.8,107.87 37.8,107.3 38.6,106.5 v1(38.6,95.9) 38.6,93.68 37.8,92.87 37.8,92.3 38.6,91.5 v1(38.6,80.9) 38.6,78.68 37.8,77.87 37.8,77.3 38.6,76.5 v1(38.6,65.9) 38.6,63.68 37.8,62.87 37.8,62.3 38.6,61.5 v1(38.6,50.9) 38.6,48.68 37.8,47.87 37.8,47.3 38.6,46.5 v1(38.6,35.9) 38.6,33.68 37.8,32.87 37.8,32.3 38.6,31.5 v1(38.6,20.9) ; 38.6,110.9 38.6,121.5 37.8,122.3 37.8,122.87 38.6,123.68 v1(38.6,125.9)
